# KiCad board cqa02303v5rpi-01.kicad_pcb
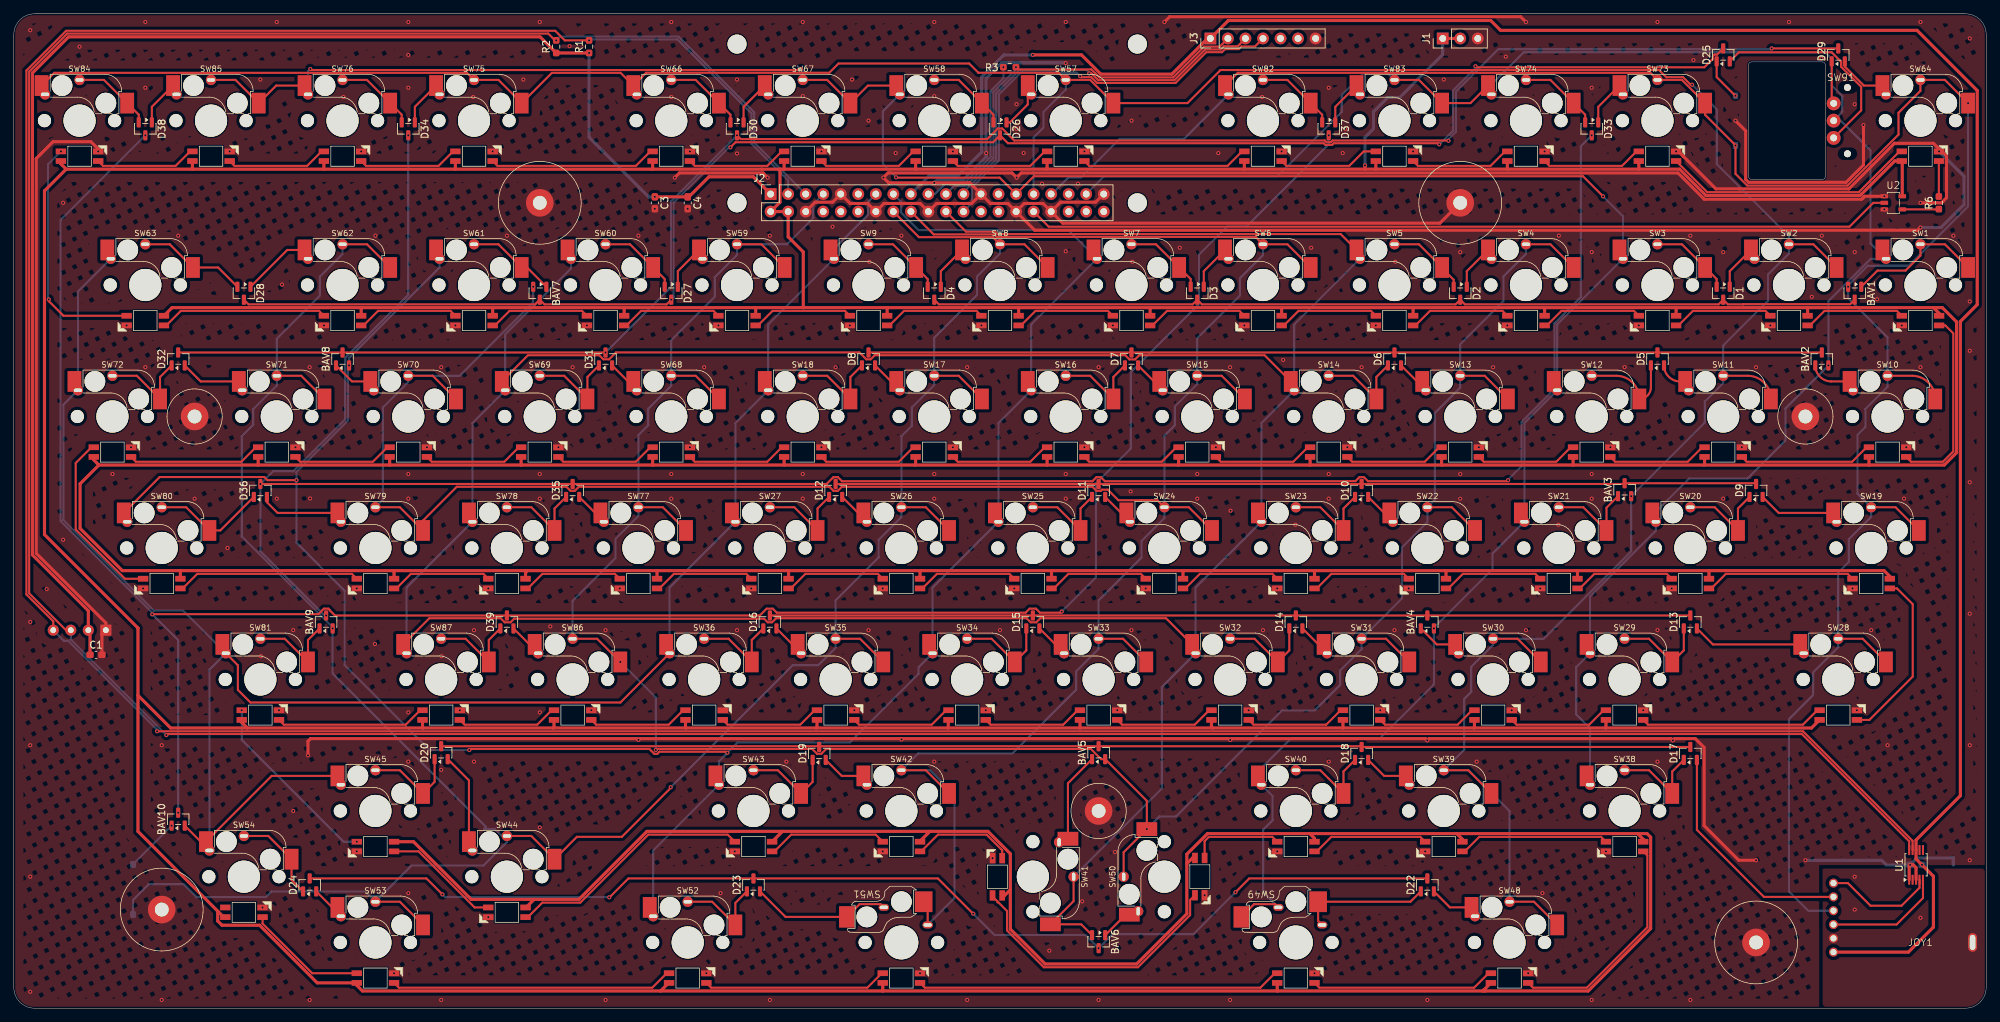
[diagram p0: board, top side]
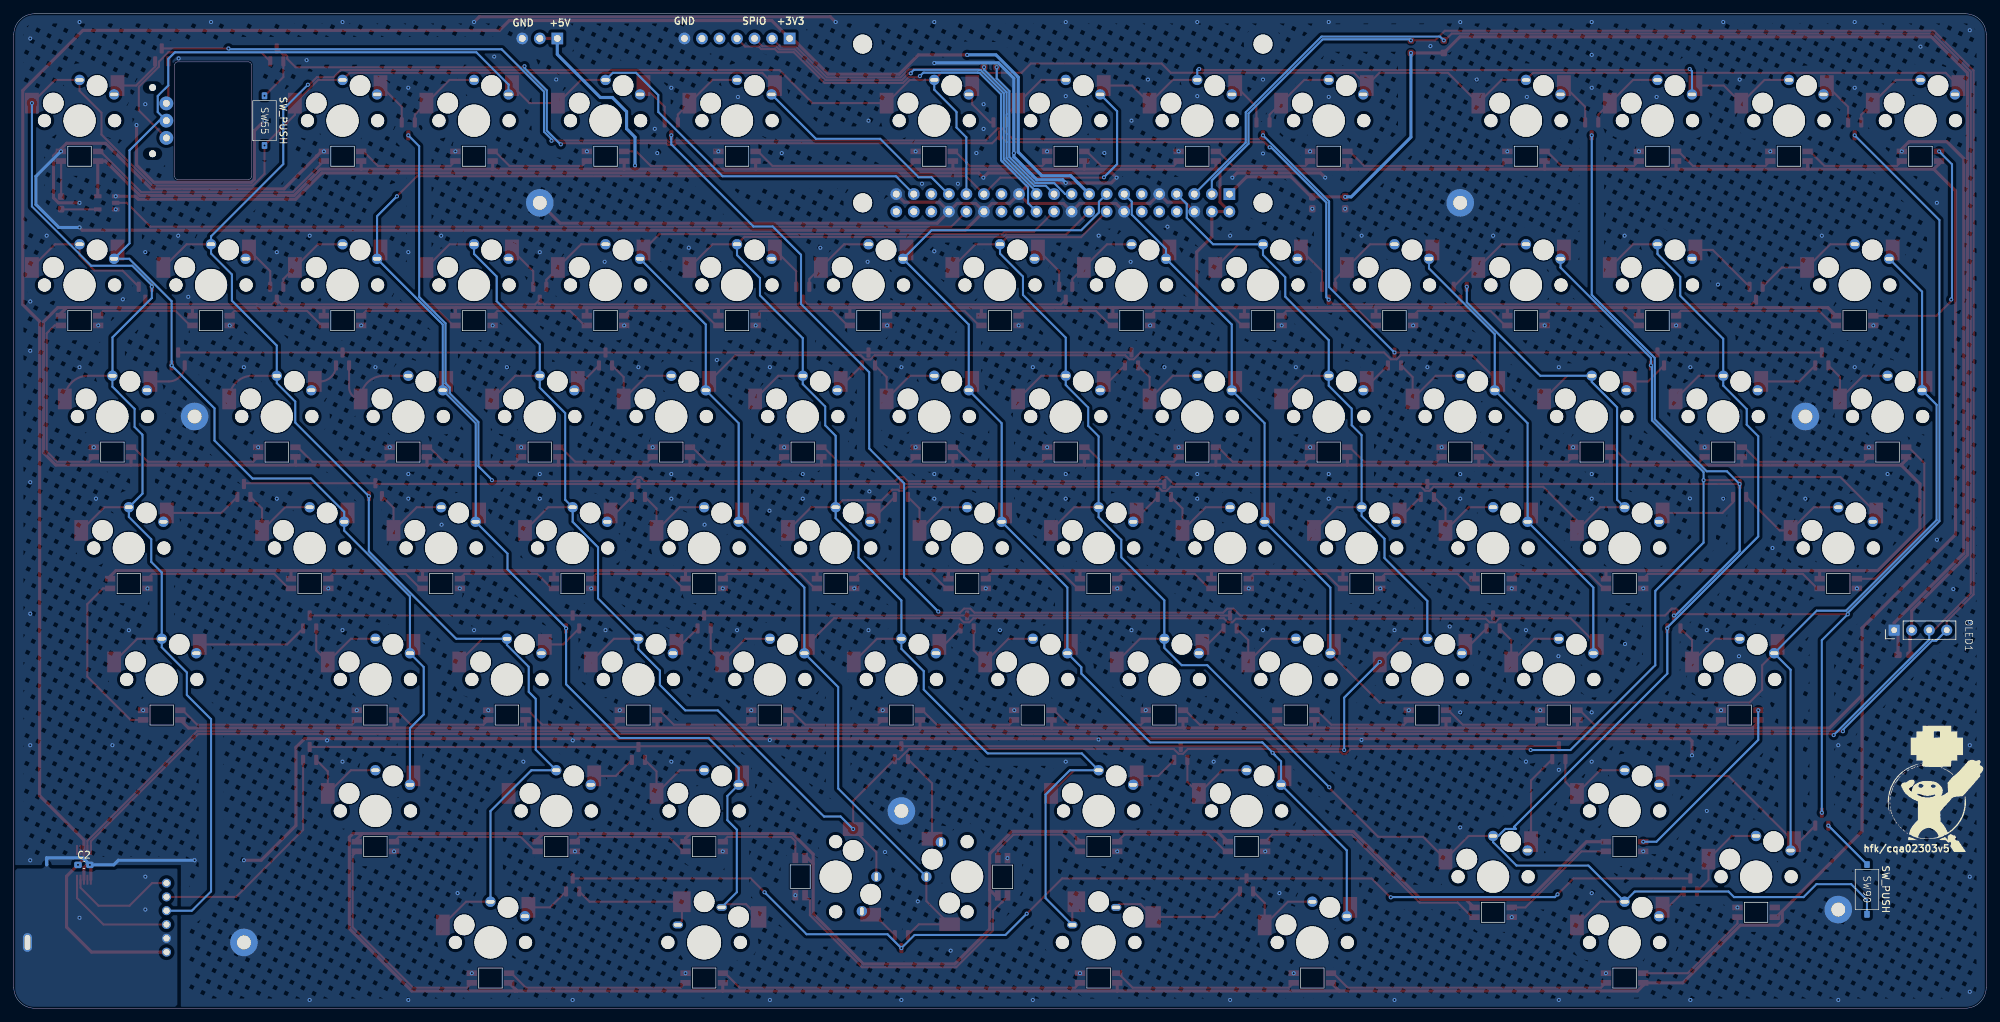
[diagram p1: board, bottom side, seen from below]

Outline 285.75 x 144.07 mm; copper layers: Top, Bottom. Coordinates in mm from the lower left corner of the outline.
Outline path: 0,141.07 arc(0.88,143.19) 3,144.07 282.75,144.07 arc(284.87,143.19) 285.75,141.07 285.75,3 arc(284.87,0.88) 282.75,0 3,0 arc(0.88,0.88) 0,3 0,141.07 ; 251.33,136.7 arc(251.45,136.98) 251.73,137.1 262.03,137.1 arc(262.32,136.98) 262.43,136.69 262.43,120.48 arc(262.32,120.2) 262.03,120.08 251.73,120.08 arc(251.45,120.2) 251.33,120.48 251.33,136.7
Stack: Top 0.035mm / dielectric 1.51mm FR4 er 4.5 / Bottom 0.035mm

## Placement (name value [footprint] x y rotation side)
2mm1  ~  [2mmScrew]  252.41 9.53 0 top
2mm2  ~  [2mmScrew]  21.43 14.29 0 top
2mm3  ~  [2mmScrew]  259.56 85.72 0 top
2mm4  ~  [2mmScrew]  26.19 85.72 0 top
2mm5  ~  [2mmScrew]  157.16 28.57 0 top
2mm6  ~  [2mmScrew]  209.55 116.68 0 top
2mm7  ~  [2mmScrew]  76.2 116.68 0 top
BAV1  BAV99  [SOT-23]  266.7 103.58 270 top
BAV2  BAV99  [SOT-23]  261.94 94.06 90 top
BAV3  BAV99  [SOT-23]  233.36 75.12 90 top
BAV4  BAV99  [SOT-23]  204.79 55.96 90 top
BAV5  BAV99  [SOT-23]  157.16 37.02 90 top
BAV6  BAV99  [SOT-23]  157.16 9.64 270 top
BAV7  BAV99  [SOT-23]  76.2 103.58 270 top
BAV8  BAV99  [SOT-23]  47.62 94.06 90 top
BAV9  BAV99  [SOT-23]  45.24 55.96 90 top
BAV10  BAV99  [SOT-23]  23.81 27.38 90 top
C1  100nF  [C_0603_1608Metric_Pad1.08x0.95mm_HandSolder]  11.91 51.2 0 top
C2  100nF  [C_0603_1608Metric_Pad1.08x0.95mm_HandSolder]  275.59 20.76 180 bottom
C3  10uF  [C_0603_1608Metric_Pad1.08x0.95mm_HandSolder]  92.87 116.68 270 top
C4  100nF  [C_0603_1608Metric_Pad1.08x0.95mm_HandSolder]  97.63 116.68 270 top
D1  BAV70  [SOT-23]  247.65 103.58 270 top
D2  BAV70  [SOT-23]  209.55 103.58 270 top
D3  BAV70  [SOT-23]  171.45 103.58 270 top
D4  BAV70  [SOT-23]  133.35 103.58 270 top
D5  BAV70  [SOT-23]  238.13 94.06 90 top
D6  BAV70  [SOT-23]  200.03 94.06 90 top
D7  BAV70  [SOT-23]  161.93 94.06 90 top
D8  BAV70  [SOT-23]  123.83 94.06 90 top
D9  BAV70  [SOT-23]  252.41 75.01 90 top
D10  BAV70  [SOT-23]  195.26 75.01 90 top
D11  BAV70  [SOT-23]  157.16 75.01 90 top
D12  BAV70  [SOT-23]  119.06 75.01 90 top
D13  BAV70  [SOT-23]  242.89 55.96 90 top
D14  BAV70  [SOT-23]  185.74 55.96 90 top
D15  BAV70  [SOT-23]  147.64 55.96 90 top
D16  BAV70  [SOT-23]  109.54 55.96 90 top
D17  BAV70  [SOT-23]  242.89 36.91 90 top
D18  BAV70  [SOT-23]  195.26 36.91 90 top
D19  BAV70  [SOT-23]  116.68 36.91 90 top
D20  BAV70  [SOT-23]  61.91 37.02 90 top
D22  BAV70  [SOT-23]  204.79 17.86 90 top
D23  BAV70  [SOT-23]  107.16 17.86 90 top
D24  BAV70  [SOT-23]  42.86 17.86 90 top
D25  BAV70  [SOT-23]  247.65 138.11 90 top
D26  BAV70  [SOT-23]  142.88 127.4 270 top
D27  BAV70  [SOT-23]  95.25 103.58 270 top
D28  BAV70  [SOT-23]  33.34 103.58 270 top
D29  BAV70  [SOT-23]  264.32 138.11 90 top
D30  BAV70  [SOT-23]  104.78 127.4 270 top
D31  BAV70  [SOT-23]  85.72 94.06 90 top
D32  BAV70  [SOT-23]  23.81 94.06 90 top
D33  BAV70  [SOT-23]  228.6 127.4 270 top
D34  BAV70  [SOT-23]  57.15 127.4 270 top
D35  BAV70  [SOT-23]  80.96 75.01 90 top
D36  BAV70  [SOT-23]  35.72 75.01 90 top
D37  BAV70  [SOT-23]  190.5 127.4 270 top
D38  BAV70  [SOT-23]  19.05 127.4 270 top
D39  BAV70  [SOT-23]  71.44 55.96 90 top
G***  -  [LOGO]  7.14 32.15 180 bottom
J1  Conn_01x03_Pin  [PinHeader_1x03_P2.54mm_Vertical]  207.01 140.49 90 top
J2  Raspberry_Pi_4  [Raspberry_Pi_Zero_Socketed_THT_FaceDown_MountingHoles]  109.65 117.95 90 top
J3  Conn_01x07_Pin  [PinHeader_1x07_P2.54mm_Vertical]  173.36 140.49 90 top
JOY1  ~  [AnalogJoyCon_cutScrew]  276.22 9.53 0 top
LED1  SK6812MINI  [YS-SK6812MINI-E_slim]  276.22 123.43 180 top
LED2  SK6812MINI  [YS-SK6812MINI-E_slim]  238.13 123.43 180 top
LED3  SK6812MINI  [YS-SK6812MINI-E_slim]  219.08 123.43 180 top
LED4  SK6812MINI  [YS-SK6812MINI-E_slim]  200.03 123.43 180 top
LED5  SK6812MINI  [YS-SK6812MINI-E_slim]  180.97 123.43 180 top
LED6  SK6812MINI  [YS-SK6812MINI-E_slim]  152.4 123.43 180 top
LED7  SK6812MINI  [YS-SK6812MINI-E_slim]  133.35 123.43 180 top
LED8  SK6812MINI  [YS-SK6812MINI-E_slim]  114.3 123.43 180 top
LED9  SK6812MINI  [YS-SK6812MINI-E_slim]  95.25 123.43 180 top
LED10  SK6812MINI  [YS-SK6812MINI-E_slim]  66.68 123.43 180 top
LED11  SK6812MINI  [YS-SK6812MINI-E_slim]  47.62 123.43 180 top
LED12  SK6812MINI  [YS-SK6812MINI-E_slim]  28.57 123.43 180 top
LED13  SK6812MINI  [YS-SK6812MINI-E_slim]  9.52 123.43 180 top
LED16  SK6812MINI  [YS-SK6812MINI-E_slim]  19.05 99.62 0 top
LED17  SK6812MINI  [YS-SK6812MINI-E_slim]  47.62 99.62 0 top
LED18  SK6812MINI  [YS-SK6812MINI-E_slim]  66.68 99.62 0 top
LED19  SK6812MINI  [YS-SK6812MINI-E_slim]  85.72 99.62 0 top
LED20  SK6812MINI  [YS-SK6812MINI-E_slim]  104.78 99.62 0 top
LED21  SK6812MINI  [YS-SK6812MINI-E_slim]  123.83 99.62 0 top
LED22  SK6812MINI  [YS-SK6812MINI-E_slim]  142.88 99.62 0 top
LED23  SK6812MINI  [YS-SK6812MINI-E_slim]  161.93 99.62 0 top
LED24  SK6812MINI  [YS-SK6812MINI-E_slim]  180.97 99.62 0 top
LED25  SK6812MINI  [YS-SK6812MINI-E_slim]  200.03 99.62 0 top
LED26  SK6812MINI  [YS-SK6812MINI-E_slim]  219.08 99.62 0 top
LED27  SK6812MINI  [YS-SK6812MINI-E_slim]  238.13 99.62 0 top
LED28  SK6812MINI  [YS-SK6812MINI-E_slim]  257.17 99.62 0 top
LED29  SK6812MINI  [YS-SK6812MINI-E_slim]  276.22 99.62 0 top
LED31  SK6812MINI  [YS-SK6812MINI-E_slim]  271.46 80.57 180 top
LED32  SK6812MINI  [YS-SK6812MINI-E_slim]  247.65 80.57 180 top
LED33  SK6812MINI  [YS-SK6812MINI-E_slim]  228.6 80.57 180 top
LED34  SK6812MINI  [YS-SK6812MINI-E_slim]  209.55 80.57 180 top
LED35  SK6812MINI  [YS-SK6812MINI-E_slim]  190.5 80.57 180 top
LED36  SK6812MINI  [YS-SK6812MINI-E_slim]  171.45 80.57 180 top
LED37  SK6812MINI  [YS-SK6812MINI-E_slim]  152.4 80.57 180 top
LED38  SK6812MINI  [YS-SK6812MINI-E_slim]  133.35 80.57 180 top
LED39  SK6812MINI  [YS-SK6812MINI-E_slim]  114.3 80.57 180 top
LED40  SK6812MINI  [YS-SK6812MINI-E_slim]  95.25 80.57 180 top
LED41  SK6812MINI  [YS-SK6812MINI-E_slim]  76.2 80.57 180 top
LED42  SK6812MINI  [YS-SK6812MINI-E_slim]  57.15 80.57 180 top
LED43  SK6812MINI  [YS-SK6812MINI-E_slim]  38.1 80.57 180 top
LED44  SK6812MINI  [YS-SK6812MINI-E_slim]  14.29 80.57 180 top
LED46  SK6812MINI  [YS-SK6812MINI-E_slim]  21.43 61.52 0 top
LED47  SK6812MINI  [YS-SK6812MINI-E_slim]  52.39 61.52 0 top
LED48  SK6812MINI  [YS-SK6812MINI-E_slim]  71.44 61.52 0 top
LED49  SK6812MINI  [YS-SK6812MINI-E_slim]  90.49 61.52 0 top
LED50  SK6812MINI  [YS-SK6812MINI-E_slim]  109.54 61.52 0 top
LED51  SK6812MINI  [YS-SK6812MINI-E_slim]  128.59 61.52 0 top
LED52  SK6812MINI  [YS-SK6812MINI-E_slim]  147.64 61.52 0 top
LED53  SK6812MINI  [YS-SK6812MINI-E_slim]  166.69 61.52 0 top
LED54  SK6812MINI  [YS-SK6812MINI-E_slim]  185.74 61.52 0 top
LED55  SK6812MINI  [YS-SK6812MINI-E_slim]  204.79 61.52 0 top
LED56  SK6812MINI  [YS-SK6812MINI-E_slim]  223.84 61.52 0 top
LED57  SK6812MINI  [YS-SK6812MINI-E_slim]  242.89 61.52 0 top
LED58  SK6812MINI  [YS-SK6812MINI-E_slim]  269.08 61.52 0 top
LED61  SK6812MINI  [YS-SK6812MINI-E_slim]  264.32 42.47 180 top
LED62  SK6812MINI  [YS-SK6812MINI-E_slim]  233.36 42.47 180 top
LED63  SK6812MINI  [YS-SK6812MINI-E_slim]  214.31 42.47 180 top
LED64  SK6812MINI  [YS-SK6812MINI-E_slim]  195.26 42.47 180 top
LED65  SK6812MINI  [YS-SK6812MINI-E_slim]  176.21 42.47 180 top
LED66  SK6812MINI  [YS-SK6812MINI-E_slim]  157.16 42.47 180 top
LED67  SK6812MINI  [YS-SK6812MINI-E_slim]  138.11 42.47 180 top
LED68  SK6812MINI  [YS-SK6812MINI-E_slim]  119.06 42.47 180 top
LED69  SK6812MINI  [YS-SK6812MINI-E_slim]  100.01 42.47 180 top
LED70  SK6812MINI  [YS-SK6812MINI-E_slim]  80.96 42.47 180 top
LED71  SK6812MINI  [YS-SK6812MINI-E_slim]  61.91 42.47 180 top
LED72  SK6812MINI  [YS-SK6812MINI-E_slim]  35.72 42.47 180 top
LED76  SK6812MINI  [YS-SK6812MINI-E_slim]  52.39 23.42 0 top
LED77  SK6812MINI  [YS-SK6812MINI-E_slim]  71.44 13.89 0 top
LED78  SK6812MINI  [YS-SK6812MINI-E_slim]  107.16 23.42 0 top
LED79  SK6812MINI  [YS-SK6812MINI-E_slim]  128.59 23.42 0 top
LED80  SK6812MINI  [YS-SK6812MINI-E_slim]  142.49 19.04 270 top
LED81  SK6812MINI  [YS-SK6812MINI-E_slim]  171.82 19.07 90 top
LED82  SK6812MINI  [YS-SK6812MINI-E_slim]  185.74 23.42 0 top
LED83  SK6812MINI  [YS-SK6812MINI-E_slim]  207.17 23.42 0 top
LED84  SK6812MINI  [YS-SK6812MINI-E_slim]  233.36 23.42 0 top
LED85  SK6812MINI  [YS-SK6812MINI-E_slim]  216.69 4.37 180 top
LED86  SK6812MINI  [YS-SK6812MINI-E_slim]  185.74 4.37 180 top
LED87  SK6812MINI  [YS-SK6812MINI-E_slim]  128.59 4.37 180 top
LED88  SK6812MINI  [YS-SK6812MINI-E_slim]  97.63 4.37 180 top
LED89  SK6812MINI  [YS-SK6812MINI-E_slim]  52.39 4.37 180 top
LED90  SK6812MINI  [YS-SK6812MINI-E_slim]  33.34 13.89 180 top
NT1  NetTie_2  [NetTie-2_SMD_Pad0.5mm]  280.99 21.27 270 bottom
OLED1  ~  [OLED]  9.52 54.77 270 bottom
R1  2.2K  [R_0603_1608Metric_Pad0.98x0.95mm_HandSolder]  83.34 139.3 90 top
R2  2.2K  [R_0603_1608Metric_Pad0.98x0.95mm_HandSolder]  78.58 139.3 90 top
R3  3.3K  [R_0603_1608Metric_Pad0.98x0.95mm_HandSolder]  144.27 136.33 180 top
R6  220-470  [R_0603_1608Metric_Pad0.98x0.95mm_HandSolder]  278.89 116.68 90 top
SW1  SW_PUSH  [hf_kbd_GateronKS33B_w_choc]  276.22 104.77 0 top
SW2  SW_PUSH  [hf_kbd_GateronKS33B_w_choc]  257.17 104.77 0 top
SW3  SW_PUSH  [hf_kbd_GateronKS33B_w_choc]  238.13 104.77 0 top
SW4  SW_PUSH  [hf_kbd_GateronKS33B_w_choc]  219.08 104.77 0 top
SW5  SW_PUSH  [hf_kbd_GateronKS33B_w_choc]  200.03 104.77 0 top
SW6  SW_PUSH  [hf_kbd_GateronKS33B_w_choc]  180.97 104.77 0 top
SW7  SW_PUSH  [hf_kbd_GateronKS33B_w_choc]  161.93 104.77 0 top
SW8  SW_PUSH  [hf_kbd_GateronKS33B_w_choc]  142.88 104.77 0 top
SW9  SW_PUSH  [hf_kbd_GateronKS33B_w_choc]  123.83 104.77 0 top
SW10  SW_PUSH  [hf_kbd_GateronKS33B_w_choc]  271.46 85.72 0 top
SW11  SW_PUSH  [hf_kbd_GateronKS33B_w_choc]  247.65 85.72 0 top
SW12  SW_PUSH  [hf_kbd_GateronKS33B_w_choc]  228.6 85.72 0 top
SW13  SW_PUSH  [hf_kbd_GateronKS33B_w_choc]  209.55 85.72 0 top
SW14  SW_PUSH  [hf_kbd_GateronKS33B_w_choc]  190.5 85.72 0 top
SW15  SW_PUSH  [hf_kbd_GateronKS33B_w_choc]  171.45 85.72 0 top
SW16  SW_PUSH  [hf_kbd_GateronKS33B_w_choc]  152.4 85.72 0 top
SW17  SW_PUSH  [hf_kbd_GateronKS33B_w_choc]  133.35 85.72 0 top
SW18  SW_PUSH  [hf_kbd_GateronKS33B_w_choc]  114.3 85.72 0 top
SW19  SW_PUSH  [hf_kbd_GateronKS33B_w_choc]  269.08 66.67 0 top
SW20  SW_PUSH  [hf_kbd_GateronKS33B_w_choc]  242.89 66.67 0 top
SW21  SW_PUSH  [hf_kbd_GateronKS33B_w_choc]  223.84 66.67 0 top
SW22  SW_PUSH  [hf_kbd_GateronKS33B_w_choc]  204.79 66.67 0 top
SW23  SW_PUSH  [hf_kbd_GateronKS33B_w_choc]  185.74 66.67 0 top
SW24  SW_PUSH  [hf_kbd_GateronKS33B_w_choc]  166.69 66.67 0 top
SW25  SW_PUSH  [hf_kbd_GateronKS33B_w_choc]  147.64 66.67 0 top
SW26  SW_PUSH  [hf_kbd_GateronKS33B_w_choc]  128.59 66.67 0 top
SW27  SW_PUSH  [hf_kbd_GateronKS33B_w_choc]  109.54 66.67 0 top
SW28  SW_PUSH  [hf_kbd_GateronKS33B_w_choc]  264.32 47.62 0 top
SW29  SW_PUSH  [hf_kbd_GateronKS33B_w_choc]  233.36 47.62 0 top
SW30  SW_PUSH  [hf_kbd_GateronKS33B_w_choc]  214.31 47.62 0 top
SW31  SW_PUSH  [hf_kbd_GateronKS33B_w_choc]  195.26 47.62 0 top
SW32  SW_PUSH  [hf_kbd_GateronKS33B_w_choc]  176.21 47.62 0 top
SW33  SW_PUSH  [hf_kbd_GateronKS33B_w_choc]  157.16 47.62 0 top
SW34  SW_PUSH  [hf_kbd_GateronKS33B_w_choc]  138.11 47.62 0 top
SW35  SW_PUSH  [hf_kbd_GateronKS33B_w_choc]  119.06 47.62 0 top
SW36  SW_PUSH  [hf_kbd_GateronKS33B_w_choc]  100.01 47.62 0 top
SW38  SW_PUSH  [hf_kbd_GateronKS33B_w_choc]  233.36 28.57 0 top
SW39  SW_PUSH  [hf_kbd_GateronKS33B_w_choc]  207.17 28.57 0 top
SW40  SW_PUSH  [hf_kbd_GateronKS33B_w_choc]  185.74 28.57 0 top
SW41  SW_PUSH  [hf_kbd_GateronKS33B_w_choc]  147.64 19.05 270 top
SW42  SW_PUSH  [hf_kbd_GateronKS33B_w_choc]  128.59 28.57 0 top
SW43  SW_PUSH  [hf_kbd_GateronKS33B_w_choc]  107.16 28.57 0 top
SW44  SW_PUSH  [hf_kbd_GateronKS33B_w_choc]  71.44 19.05 0 top
SW45  SW_PUSH  [hf_kbd_GateronKS33B_w_choc]  52.39 28.57 0 top
SW48  SW_PUSH  [hf_kbd_GateronKS33B_w_choc]  216.69 9.53 0 top
SW49  SW_PUSH  [hf_kbd_kailh_hotswap_MX]  185.74 9.53 180 top
SW50  SW_PUSH  [hf_kbd_GateronKS33B_w_choc]  166.69 19.05 90 top
SW51  SW_PUSH  [hf_kbd_kailh_hotswap_MX]  128.59 9.53 180 top
SW52  SW_PUSH  [hf_kbd_GateronKS33B_w_choc]  97.63 9.53 0 top
SW53  SW_PUSH  [hf_kbd_GateronKS33B_w_choc]  52.39 9.53 0 top
SW54  SW_PUSH  [hf_kbd_GateronKS33B_w_choc]  33.34 19.05 0 top
SW55  SW_PUSH  [SW_V6x36x15]  249.43 128.59 270 bottom
SW57  SW_PUSH  [hf_kbd_GateronKS33B_w_choc]  152.4 128.59 0 top
SW58  SW_PUSH  [hf_kbd_GateronKS33B_w_choc]  133.35 128.59 0 top
SW59  SW_PUSH  [hf_kbd_GateronKS33B_w_choc]  104.78 104.77 0 top
SW60  SW_PUSH  [hf_kbd_GateronKS33B_w_choc]  85.72 104.77 0 top
SW61  SW_PUSH  [hf_kbd_GateronKS33B_w_choc]  66.68 104.77 0 top
SW62  SW_PUSH  [hf_kbd_GateronKS33B_w_choc]  47.62 104.77 0 top
SW63  SW_PUSH  [hf_kbd_GateronKS33B_w_choc]  19.05 104.77 0 top
SW64  SW_PUSH  [hf_kbd_GateronKS33B_w_choc]  276.22 128.59 0 top
SW66  SW_PUSH  [hf_kbd_GateronKS33B_w_choc]  95.25 128.59 0 top
SW67  SW_PUSH  [hf_kbd_GateronKS33B_w_choc]  114.3 128.59 0 top
SW68  SW_PUSH  [hf_kbd_GateronKS33B_w_choc]  95.25 85.72 0 top
SW69  SW_PUSH  [hf_kbd_GateronKS33B_w_choc]  76.2 85.72 0 top
SW70  SW_PUSH  [hf_kbd_GateronKS33B_w_choc]  57.15 85.72 0 top
SW71  SW_PUSH  [hf_kbd_GateronKS33B_w_choc]  38.1 85.72 0 top
SW72  SW_PUSH  [hf_kbd_GateronKS33B_w_choc]  14.29 85.72 0 top
SW73  SW_PUSH  [hf_kbd_GateronKS33B_w_choc]  238.13 128.59 0 top
SW74  SW_PUSH  [hf_kbd_GateronKS33B_w_choc]  219.08 128.59 0 top
SW75  SW_PUSH  [hf_kbd_GateronKS33B_w_choc]  66.68 128.59 0 top
SW76  SW_PUSH  [hf_kbd_GateronKS33B_w_choc]  47.62 128.59 0 top
SW77  SW_PUSH  [hf_kbd_GateronKS33B_w_choc]  90.49 66.67 0 top
SW78  SW_PUSH  [hf_kbd_GateronKS33B_w_choc]  71.44 66.67 0 top
SW79  SW_PUSH  [hf_kbd_GateronKS33B_w_choc]  52.39 66.67 0 top
SW80  SW_PUSH  [hf_kbd_GateronKS33B_w_choc]  21.43 66.67 0 top
SW81  SW_PUSH  [hf_kbd_GateronKS33B_w_choc]  35.72 47.62 0 top
SW82  SW_PUSH  [hf_kbd_GateronKS33B_w_choc]  180.97 128.59 0 top
SW83  SW_PUSH  [hf_kbd_GateronKS33B_w_choc]  200.03 128.59 0 top
SW84  SW_PUSH  [hf_kbd_GateronKS33B_w_choc]  9.52 128.59 0 top
SW85  SW_PUSH  [hf_kbd_GateronKS33B_w_choc]  28.57 128.59 0 top
SW86  SW_PUSH  [hf_kbd_GateronKS33B_w_choc]  80.96 47.62 0 top
SW87  SW_PUSH  [hf_kbd_GateronKS33B_w_choc]  61.91 47.62 0 top
SW90  SW_PUSH  [SW_V6x36x15]  17.27 17.21 270 bottom
SW91  RotaryEncoder  [MouseEncoder]  263.65 128.59 0 top
U1  ADS1115IDGS  [TSSOP-10_3x3mm_P0.5mm]  275.59 20.76 90 top
U2  74AHC1G125  [SOT23-5]  272.29 116.68 0 top

## Library data of the parts
BAV1-BAV10 = -: Datasheet: https://assets.nexperia.com/documents/data-sheet/BAV99_SER.pdf; Description: BAV99 High-speed switching diodes, SOT-23; ki_fp_filters: SOT?23*
C1-C4 = -: Description: Unpolarized capacitor, small symbol; ki_fp_filters: C_*
D1-D20 D22-D39 = -: Datasheet: https://assets.nexperia.com/documents/data-sheet/BAV70_SER.pdf; Description: Dual 100V 215mA high-speed switching diodes, common cathode, SOT-23; ki_fp_filters: SOT?23*
J1 = -: Description: Generic connector, single row, 01x03, script generated; ki_fp_filters: Connector*:*_1x??_*
J2 = -: Datasheet: https://datasheets.raspberrypi.com/rpi4/raspberry-pi-4-datasheet.pdf; Description: Raspberry Pi 4 Model B; ki_fp_filters: PinHeader*2x20*P2.54mm*Vertical* PinSocket*2x20*P2.54mm*Vertical*
J3 = -: Description: Generic connector, single row, 01x07, script generated; ki_fp_filters: Connector*:*_1x??_*
LED1-LED13 LED16-LED29 LED31-LED44 LED46-LED58 LED61-LED72 LED76-LED90 = -: Datasheet: https://cdn-shop.adafruit.com/product-files/2686/SK6812MINI_REV.01-1-2.pdf; Description: RGB LED with integrated controller; ki_fp_filters: LED*SK6812MINI*PLCC*3.5x3.5mm*P1.75mm*
NT1 = -: Description: Net tie, 2 pins; ki_fp_filters: Net*Tie*
R1-R3 R6 = -: Description: Resistor; ki_fp_filters: R_*
SW91 = -: Description: Rotary encoder, dual channel, incremental quadrate outputs; ki_fp_filters: RotaryEncoder*
U1 = -: Datasheet: http://www.ti.com/lit/ds/symlink/ads1113.pdf; Description: Ultra-Small, Low-Power, I2C-Compatible, 860-SPS, 16-Bit ADCs With Internal Reference, Oscillator, and Programmable Comparator, VSSOP-10; ki_fp_filters: TSSOP*3x3mm*P0.5mm*
U2 = -: Datasheet: http://www.ti.com/lit/sg/scyt129e/scyt129e.pdf; Description: Single Buffer Gate Tri-State, Low-Voltage CMOS; ki_fp_filters: SOT* SG-*

## Footprints (pads in the part's own frame, mm; a bottom-side part is the same pattern mirrored in y, then rotated)
2mmScrew
  round 4 hole 2: 1(0,0)
AnalogJoyCon_cutScrew
  round 1.3 hole 0.9: 1(-12.6,8.6) 2(-12.6,6.6) 3(-12.6,4.6) 4(-12.6,2.6) 5(-12.6,0.6) 6(-12.6,-1.4)
  oval 1.3x2.7 hole 0.8x2.2: 7(7.55,0)
C_0603_1608Metric_Pad1.08x0.95mm_HandSolder
  rrect 1.075x0.95 smd: 1(-0.863,0) 2(0.863,0)
hf_kbd_GateronKS33B_w_choc
  round 1.9 hole 2.1x1.9 unplated: (-5.08,0) (5.08,0)
  round 3 hole 3 unplated: (-2.54,5.08) (3.81,2.54)
  round 4.65 hole 4.65 unplated: (0,0)
  round 1.5 hole 1.2x0.5: 1(0,5.9) 2(-5,3.8)
  rect 2x3 smd: 1(6.9,2.54) 2(-5.5,5.08)
hf_kbd_kailh_hotswap_MX
  round 1.9 hole 2.1x1.9 unplated: (-5.25,0) (5.25,0)
  round 4.9 hole 4.9 unplated: (0,0)
  round 3 hole 3 unplated: (0,-5.9) (5,-3.7)
  oval 1.5x1 hole 1.2x0.5: 1(2.54,-5.08) 2(-3.81,-2.54)
  rect 2.25x3.1 smd: 1(7.9,-3.7)
  rect 2.55x3 smd: 2(-3.225,-5.9)
MouseEncoder
  round 1 hole 2.4x1.4 unplated: (2,4.8) (2,-4.8)
  round 2 hole 1: A(0,2.5) B(0,-2.5) C(0,0)
NetTie-2_SMD_Pad0.5mm
  round 0.5 smd: 1(-0.5,0) 2(0.5,0)
OLED
  rect 1.6x1.6 hole 0.85: 1(0,-3.81)
  round 1.6 hole 0.85: 2(0,-1.27) 3(0,1.27) 4(0,3.81)
PinHeader_1x03_P2.54mm_Vertical
  rect 1.7x1.7 hole 1: 1(0,0)
  round 1.7 hole 1: 2(0,-2.54) 3(0,-5.08)
PinHeader_1x07_P2.54mm_Vertical
  rect 1.7x1.7 hole 1: 1(0,0)
  round 1.7 hole 1: 2(0,-2.54) 3(0,-5.08) 4(0,-7.62) 5(0,-10.16) 6(0,-12.7) 7(0,-15.24)
R_0603_1608Metric_Pad0.98x0.95mm_HandSolder
  rrect 0.975x0.95 smd: 1(-0.912,0) 2(0.912,0)
Raspberry_Pi_Zero_Socketed_THT_FaceDown_MountingHoles
  round 2.75 hole 2.75 unplated: (-1.27,4.87) (-1.27,-53.13) (21.73,4.87) (21.73,-53.13)
  rect 1.7x1.7 hole 1: 1(0,0)
  oval 1.7x1.7 hole 1: 2(-2.54,0) 3(0,-2.54) 4(-2.54,-2.54) 5(0,-5.08) 6(-2.54,-5.08) 7(0,-7.62) 8(-2.54,-7.62) 9(0,-10.16) 10(-2.54,-10.16) 11(0,-12.7) 12(-2.54,-12.7) 13(0,-15.24) 14(-2.54,-15.24) 15(0,-17.78) 16(-2.54,-17.78) 17(0,-20.32) 18(-2.54,-20.32) 19(0,-22.86) 20(-2.54,-22.86) 21(0,-25.4) 22(-2.54,-25.4) 23(0,-27.94) 24(-2.54,-27.94) 25(0,-30.48) 26(-2.54,-30.48) 27(0,-33.02) 28(-2.54,-33.02) 29(0,-35.56) 30(-2.54,-35.56) 31(0,-38.1) 32(-2.54,-38.1) 33(0,-40.64) 34(-2.54,-40.64) 35(0,-43.18) 36(-2.54,-43.18) 37(0,-45.72) 38(-2.54,-45.72) 39(0,-48.26) 40(-2.54,-48.26)
SOT23-5
  rrect 1.1x0.6 smd: 1(-1.3,0.95) 2(-1.3,0) 3(-1.3,-0.95) 4(1.3,-0.95) 5(1.3,0.95)
SOT-23
  rrect 1.475x0.6 smd: 1(-0.938,0.95) 2(-0.938,-0.95) 3(0.938,0)
SW_V6x36x15
  rrect 1x0.8 smd: 1(3.6,0) 2(-3.6,0)
TSSOP-10_3x3mm_P0.5mm
  rrect 1.45x0.3 smd: 1(-2.15,1) 2(-2.15,0.5) 3(-2.15,0) 4(-2.15,-0.5) 5(-2.15,-1) 6(2.15,-1) 7(2.15,-0.5) 8(2.15,0) 9(2.15,0.5) 10(2.15,1)
YS-SK6812MINI-E_slim
  rect 1.5x0.825 smd: 1(2.7,0.7) 2(2.7,-0.7) 3(-2.7,-0.7) 4(-2.7,0.7)
